# KiCad board audio-latency-tester-board.kicad_pcb (continued)
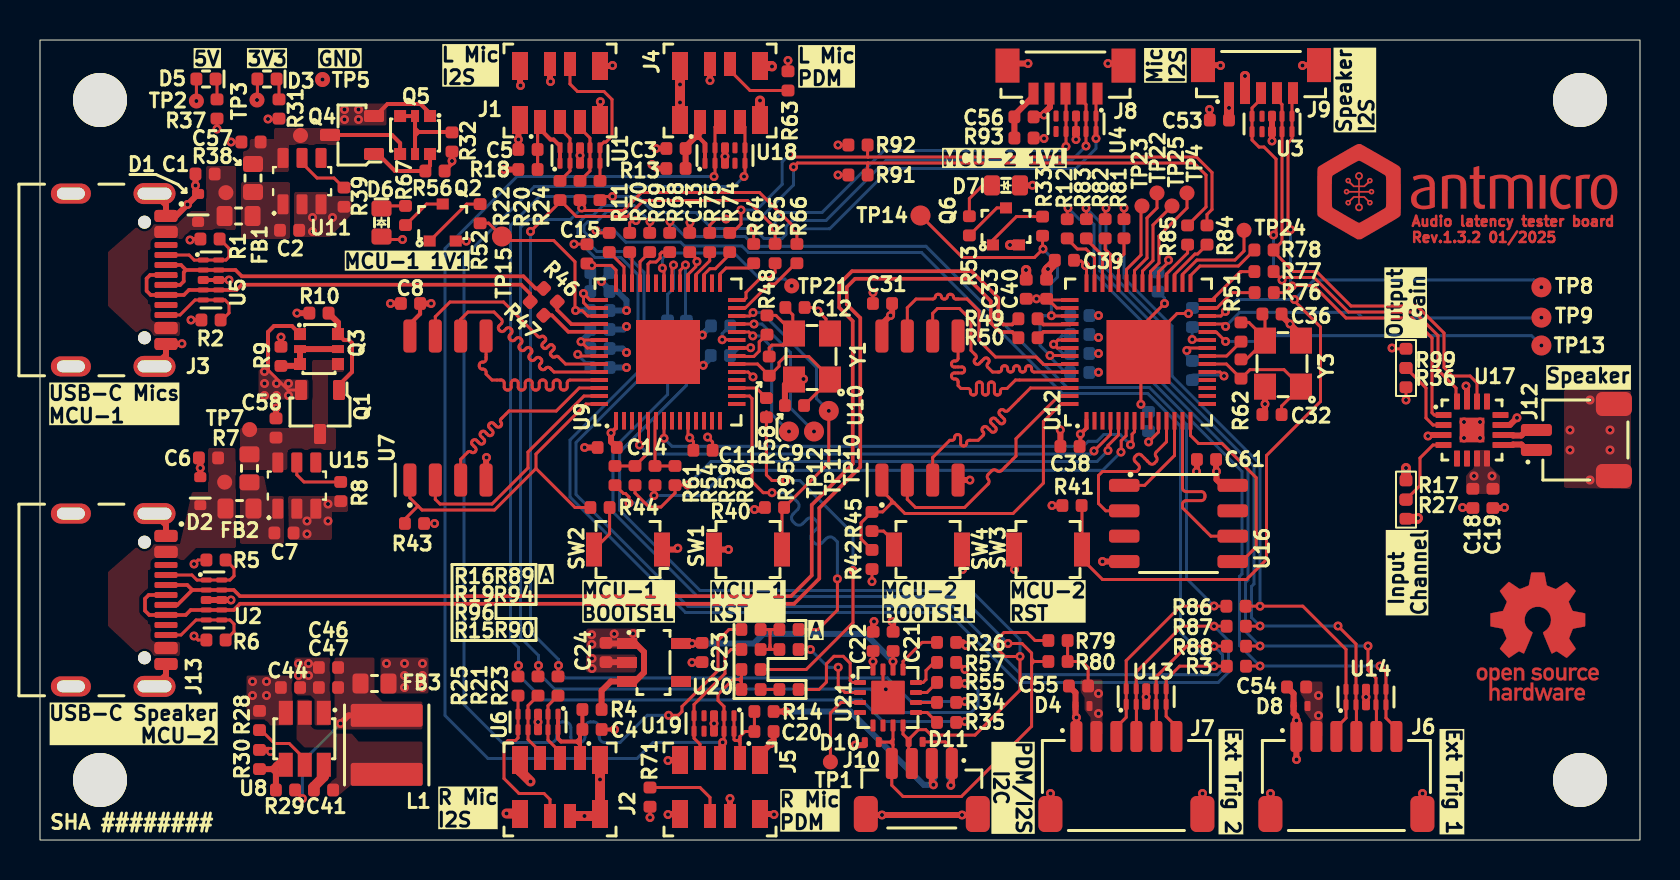
[diagram p0: board, top side]
## Library data of the parts (continued)
C47 = -: Datasheet: https://www.murata.com/products/productdetail?partno=GRM158R60J226ME01%23; Description: SMD Multilayer Ceramic Capacitor, 22 uF, 4 V, 0402 [1005 Metric], X6S; MPN: GRM158R60J226ME01D; Manufacturer: Murata; License: Apache-2.0; Author: Antmicro; Val: 22u; Field11: License: Apache-2.0; Field13: Author: Antmicro
C52 = -: Datasheet: https://product.tdk.com/en/search/capacitor/ceramic/mlcc/info?part_no=C1005X6S1A105K050BC; Description: SMD Multilayer Ceramic Capacitor, 1 µF, 10 V, 0402 [1005 Metric], ± 10%, X6S, C; MPN: C1005X6S1A105K050BC; Manufacturer: TDK; License: Apache-2.0; Author: Antmicro; Val: 1u; Field11: License: Apache-2.0; Field13: Author: Antmicro
D1 D2 = -: Datasheet: https://assets.nexperia.com/documents/data-sheet/PESD5V0X1UB.pdf; Description: Unidirectional TVS, 8 kV,  SOD-523, 5.5 V, 0.95 pF; MPN: PESD5V0X1UB,135; Manufacturer: Nexperia; Author: Antmicro; License: Apache-2.0; Field8: License: Apache-2.0; Field10: Author: Antmicro
D3 = -: Datasheet: https://www.vishay.com/docs/82554/vlmo1500.pdf; Description: LED, Green, SMD, 1005, 5 mA, 3.1 V, 535 nm; MPN: VLMTG1500-GS08; Manufacturer: Vishay; Color: Green; Author: Antmicro; License: Apache-2.0; Field9: License: Apache-2.0; Field10: Author: Antmicro
D4 D11 = -: Datasheet: https://www.ti.com/general/docs/suppproductinfo.tsp?distId=26&gotoUrl=https://www.ti.com/lit/gpn/tpd1e0b04; Description: Bidirectional TVS, 8 kV,  XDFN-2, 3.6 V, 0.18 pF; MPN: TPD1E0B04DPYR; Manufacturer: Texas Instruments; Author: Antmicro; License: Apache-2.0; Field8: Author: Antmicro; Field9: License: Apache-2.0
D5 = -: Datasheet: https://www.vishay.com/docs/82554/vlmo1500.pdf; Description: LED, Green, SMD, 1005, 5 mA, 3.1 V, 535 nm; MPN: VLMTG1500-GS08; Manufacturer: Vishay; Color: Green; Author: Antmicro; License: Apache-2.0; Field10: License: Apache-2.0; Field11: Author: Antmicro
D6 D7 = -: Datasheet: http://www.kingbright.com/attachments/file/psearch//000/00/00/KP-1608CGCK(Ver.23B).pdf; Description: LED, Green, SMD, 0603, 20 mA, 2.1 V, 570 nm; MPN: KP-1608CGCK; Manufacturer: Kingbright; Color: Green; Author: Antmicro; License: Apache-2.0; Field9: Author: Antmicro; Field10: License: Apache-2.0
D8 D10 = -: Datasheet: https://www.ti.com/general/docs/suppproductinfo.tsp?distId=26&gotoUrl=https://www.ti.com/lit/gpn/tpd1e0b04; Description: Bidirectional TVS, 8 kV,  XDFN-2, 3.6 V, 0.18 pF; MPN: TPD1E0B04DPYR; Manufacturer: Texas Instruments; Author: Antmicro; License: Apache-2.0; Field8: Author: Antmicro; Field10: License: Apache-2.0
D9 = -: Datasheet: https://www.ti.com/general/docs/suppproductinfo.tsp?distId=26&gotoUrl=https://www.ti.com/lit/gpn/tpd1e0b04; Description: Bidirectional TVS, 8 kV,  XDFN-2, 3.6 V, 0.18 pF; MPN: TPD1E0B04DPYR; Manufacturer: Texas Instruments; Author: Antmicro; License: Apache-2.0; Field8: License: Apache-2.0; Field10: Author: Antmicro
FB1 = -: Datasheet: https://www.murata.com/en-us/products/productdata/8796738650142/ENFA0003.pdf; Description: Ferrite Bead, 0603 [1608 Metric], 120 ohm, 2 A, BLM18P, 0.05 ohm, ± 25%, DC power line; Val: 120Z/2A; MPN: BLM18PG121SN1D; Manufacturer: Murata; Author: Antmicro; License: Apache-2.0; Field11: License: Apache-2.0; Field12: Author: Antmicro
FB2 = -: Datasheet: https://www.murata.com/en-us/products/productdata/8796738650142/ENFA0003.pdf; Description: Ferrite Bead, 0603 [1608 Metric], 120 ohm, 2 A, BLM18P, 0.05 ohm, ± 25%, DC power line; Val: 120Z/2A; MPN: BLM18PG121SN1D; Manufacturer: Murata; Author: Antmicro; License: Apache-2.0; Field11: Author: Antmicro; Field12: License: Apache-2.0
FB3 = -: Datasheet: https://www.murata.com/en-us/products/productdata/8796738650142/ENFA0003.pdf; Description: Ferrite Bead, 0603 [1608 Metric], 120 ohm, 2 A, BLM18P, 0.05 ohm, ± 25%, DC power line; Val: 120Z/2A; MPN: BLM18PG121SN1D; Manufacturer: Murata; Author: Antmicro; License: Apache-2.0; Field10: License: Apache-2.0; Field12: Author: Antmicro
J1 = -: Datasheet: https://www.molex.com/content/dam/molex/molex-dot-com/products/automated/en-us/salesdrawingpdf/501/501951/5019510550_sd.pdf?inline; Description: Connector FFC/FPC SKT 5 Position 0.5mm Solder Straight Surface Mount T/R; Manufacturer: Molex; MPN: 501951-0550; Author: Antmicro; License: Apache-2.0; Field9: License: Apache-2.0; Field10: Author: Antmicro
J2 J4 = -: Datasheet: https://www.molex.com/content/dam/molex/molex-dot-com/products/automated/en-us/salesdrawingpdf/501/501951/5019510550_sd.pdf?inline; Description: Connector FFC/FPC SKT 5 Position 0.5mm Solder Straight Surface Mount T/R; Manufacturer: Molex; MPN: 501951-0550; Author: Antmicro; License: Apache-2.0; Field9: Author: Antmicro; Field10: License: Apache-2.0
J3 = -: Datasheet: https://gct.co/files/drawings/usb4105.pdf; Description: USB-C (USB TYPE-C) USB 2.0 Receptacle Connector 24 (16+8 Dummy) Position Surface Mount, Right Angle; Manufacturer: GCT; MPN: USB4105-GF-A; Author: Antmicro; License: Apache-2.0; Field8: Author: Antmicro; Field10: PCB-EDGE; Field11: License: Apache-2.0
J5 = -: Datasheet: https://www.molex.com/content/dam/molex/molex-dot-com/products/automated/en-us/salesdrawingpdf/501/501951/5019510550_sd.pdf?inline; Description: Connector FFC/FPC SKT 5 Position 0.5mm Solder Straight Surface Mount T/R; Manufacturer: Molex; MPN: 501951-0550; Author: Antmicro; License: Apache-2.0; Field8: Author: Antmicro; Field9: License: Apache-2.0
J6 = -: Datasheet: https://www.jst-mfg.com/product/pdf/eng/eSH.pdf; Description: Pin Header, Right Angle, Wire-to-Board, 1 mm, 1 Rows, 6 Contacts, Surface Mount Right Angle, SR; MPN: SM06B-SRSS-TB(LF)(SN); Manufacturer: JST Automotive Connectors; Author: Antmicro; License: Apache-2.0; Field8: Author: Antmicro; Field10: License: Apache-2.0
J7 = -: Datasheet: https://www.jst-mfg.com/product/pdf/eng/eSH.pdf; Description: Pin Header, Right Angle, Wire-to-Board, 1 mm, 1 Rows, 6 Contacts, Surface Mount Right Angle, SR; MPN: SM06B-SRSS-TB(LF)(SN); Manufacturer: JST Automotive Connectors; Author: Antmicro; License: Apache-2.0; Field8: License: Apache-2.0; Field10: Author: Antmicro
J8 = -: Datasheet: https://www.jst.com/wp-content/uploads/2021/09/eSUR-new.pdf; Description: Pin Header, Vertical, Wire-to-Board, 0.5 mm, 1 Rows, 5 Contacts, Surface Mount Vertical, SUR; MPN: BM05B-SURS-TF(LF)(SN); Manufacturer: JST Automotive Connectors; Author: Antmicro; License: Apache-2.0; Field8: Author: Antmicro; Field10: License: Apache-2.0
J9 = -: Datasheet: https://www.jst.com/wp-content/uploads/2021/09/eSUR-new.pdf; Description: Pin Header, Vertical, Wire-to-Board, 0.5 mm, 1 Rows, 5 Contacts, Surface Mount Vertical, SUR; MPN: BM05B-SURS-TF(LF)(SN); Manufacturer: JST Automotive Connectors; Author: Antmicro; License: Apache-2.0; Field8: License: Apache-2.0; Field9: Author: Antmicro
J10 = -: Datasheet: https://www.jst-mfg.com/product/pdf/eng/eSH.pdf; Description: Pin Header, Top Entry, Wire-to-Board, 1 mm, 1 Rows, 4 Contacts, Surface Mount, SR; MPN: BM04B-SRSS-TB(LF)(SN); Manufacturer: JST Automotive Connectors; Author: Antmicro; License: Apache-2.0; Field8: Author: Antmicro; Field9: License: Apache-2.0
J12 = -: Datasheet: https://www.jst-mfg.com/product/pdf/eng/eSH.pdf; Description: Rectangular connector, header; MPN: SM02B-SRSS-TB(LF)(SN); Manufacturer: JST Automotive Connectors; Author: Antmicro; License: Apache-2.0; Field9: License: Apache-2.0; Field10: Author: Antmicro
J13 = -: Datasheet: https://gct.co/files/drawings/usb4105.pdf; Description: USB-C (USB TYPE-C) USB 2.0 Receptacle Connector 24 (16+8 Dummy) Position Surface Mount, Right Angle; Manufacturer: GCT; MPN: USB4105-GF-A; Author: Antmicro; License: Apache-2.0; Field8: License: Apache-2.0; Field9: Author: Antmicro; Field10: PCB-EDGE
L1 = -: Datasheet: https://www.vishay.com/docs/34295/sc15ah01.pdf; Description: Power Inductor (SMT), 2.2 µH, 3.1 A, Shielded, 3.1 A, IFSC-1515AH-01; Val: 2u2/3.1A; Manufacturer: Vishay; MPN: IFSC1515AHER2R2M01; ISat: 2.8 A; IMax: 3.1 A; Size: 4.0x4.0; Author: Antmicro; License: Apache-2.0; Field12: Author: Antmicro; Field14: License: Apache-2.0
MP1 = -: Description: Mechanical part; Author: Antmicro; License: Apache-2.0; Field6: Author: Antmicro; Field7: License: Apache-2.0
MP2 = -: Description: Mechanical part; Author: Antmicro; License: Apache-2.0; Field6: License: Apache-2.0; Field8: Author: Antmicro
MP3 MP4 = -: Description: Mechanical part; Author: Antmicro; License: Apache-2.0; Field6: License: Apache-2.0; Field7: Author: Antmicro
Q1 = -: Datasheet: https://www.mouser.com/datasheet/2/408/SSM3J332R_datasheet_en_20181015-1150575.pdf; Description: Power MOSFET, P Channel, 30 V, 6 A, 0.036 ohm, SOT-23F, Surface Mount; MPN: SSM3J332R,LF; Manufacturer: Toshiba; Author: Antmicro; License: Apache-2.0; Field8: Author: Antmicro; Field9: License: Apache-2.0
Q2 = -: Datasheet: https://assets.nexperia.com/documents/data-sheet/BC817W_SER.pdf; Description: Bipolar (BJT) Single Transistor, NPN, 45 V, 500 mA, 200 mW, SOT-323, Surface Mount; MPN: BC817-25W,115; Manufacturer: Nexperia; Author: Antmicro; License: Apache-2.0; Field8: Author: Antmicro; Field10: License: Apache-2.0; ki_fp_filters: SOT?323*
Q3 = -: Datasheet: https://www.diodes.com/assets/Datasheets/BCM857BS.pdf; Description: Bipolar (BJT) Transistor Array, 2 Transistors, PNP, 45V, 100mA, SOT-363, Surface Mount; Manufacturer: Diodes Incorporated; Author: Antmicro; License: Apache-2.0; Field8: Author: Antmicro; Field10: License: Apache-2.0
Q4 = -: Datasheet: https://www.mouser.com/datasheet/2/408/SSM3J332R_datasheet_en_20181015-1150575.pdf; Description: Power MOSFET, P Channel, 30 V, 6 A, 0.036 ohm, SOT-23F, Surface Mount; MPN: SSM3J332R,LF; Manufacturer: Toshiba; Author: Antmicro; License: Apache-2.0; Field8: License: Apache-2.0; Field10: Author: Antmicro
Q5 = -: Datasheet: https://www.diodes.com/assets/Datasheets/BCM857BS.pdf; Description: Bipolar (BJT) Transistor Array, 2 Transistors, PNP, 45V, 100mA, SOT-363, Surface Mount; Manufacturer: Diodes Incorporated; Author: Antmicro; License: Apache-2.0; Field8: License: Apache-2.0; Field10: Author: Antmicro
Q6 = -: Datasheet: https://assets.nexperia.com/documents/data-sheet/BC817W_SER.pdf; Description: Bipolar (BJT) Single Transistor, NPN, 45 V, 500 mA, 200 mW, SOT-323, Surface Mount; MPN: BC817-25W,115; Manufacturer: Nexperia; Author: Antmicro; License: Apache-2.0; Field9: Author: Antmicro; Field10: License: Apache-2.0; ki_fp_filters: SOT?323*
R1 R2 = -: Datasheet: https://www.bourns.com/docs/product-datasheets/cr.pdf; Description: SMD Chip Resistor, 5.1 kohm, ± 1%, 63 mW, 0402 [1005 Metric], Thick Film, General Purpose; MPN: CR0402-FX-5101GLF; Manufacturer: Bourns; License: Apache-2.0; Author: Antmicro; Val: 5k1; Tolerance: 1%; Field10: License: Apache-2.0; Field11: Author: Antmicro
R3 R11 R24 R25 R69 R96 = -: Datasheet: https://industrial.panasonic.com/cdbs/www-data/pdf/RDA0000/AOA0000C301.pdf; Description: SMD Chip Resistor, Jumper, 0 ohm, 100 mW, 0402 [1005 Metric], Thick Film, General Purpose; MPN: ERJ2GE0R00X; Manufacturer: Panasonic; License: Apache-2.0; Author: Antmicro; Val: 0R; Current: 1A; Field12: Author: Antmicro; Field13: License: Apache-2.0
R4 R13 R15 R21 R23 R54 R55 R57 R60 R74 R83 R87 R93 R94 = -: Datasheet: https://industrial.panasonic.com/cdbs/www-data/pdf/RDA0000/AOA0000C301.pdf; Description: SMD Chip Resistor, Jumper, 0 ohm, 100 mW, 0402 [1005 Metric], Thick Film, General Purpose; MPN: ERJ2GE0R00X; Manufacturer: Panasonic; License: Apache-2.0; Author: Antmicro; Val: 0R; Current: 1A; Field11: Author: Antmicro; Field12: License: Apache-2.0
R5 = -: Datasheet: https://www.bourns.com/docs/product-datasheets/cr.pdf; Description: SMD Chip Resistor, 5.1 kohm, ± 1%, 63 mW, 0402 [1005 Metric], Thick Film, General Purpose; MPN: CR0402-FX-5101GLF; Manufacturer: Bourns; License: Apache-2.0; Author: Antmicro; Val: 5k1; Tolerance: 1%; Field10: Author: Antmicro; Field12: License: Apache-2.0
R6 = -: Datasheet: https://www.bourns.com/docs/product-datasheets/cr.pdf; Description: SMD Chip Resistor, 5.1 kohm, ± 1%, 63 mW, 0402 [1005 Metric], Thick Film, General Purpose; MPN: CR0402-FX-5101GLF; Manufacturer: Bourns; License: Apache-2.0; Author: Antmicro; Val: 5k1; Tolerance: 1%; Field10: Author: Antmicro; Field11: License: Apache-2.0
R7 = -: Datasheet: https://fscdn.rohm.com/en/products/databook/datasheet/passive/resistor/chip_resistor/pmr-jpw-e.pdf; Description: SMD Chip Resistor; MPN: PMR03EZPJ000; Manufacturer: ROHM Semiconductor; Val: 0R; Max. Curr.: 22.4A; Author: Antmicro; License: Apache-2.0; Tolerance: template_tolerance; Field11: Author: Antmicro; Field13: License: Apache-2.0
R8 = -: Datasheet: https://www.bourns.com/docs/product-datasheets/cr.pdf; Description: SMD Chip Resistor, 20 kohm, ± 1%, 62.5 mW, 0402 [1005 Metric], Thick Film, General Purpose; MPN: CR0402-FX-2002GLF; Manufacturer: Bourns; License: Apache-2.0; Author: Antmicro; Val: 20k; Tolerance: 1%; Field10: License: Apache-2.0; Field12: Author: Antmicro
R9 R32 = -: Datasheet: https://www.bourns.com/docs/product-datasheets/cr.pdf; Description: SMD Chip Resistor, 10 kohm, ± 1%, 62.5 mW, 0402 [1005 Metric], Thick Film, General Purpose; Manufacturer: Bourns; MPN: CR0402-FX-1002GLF; Val: 10k; License: Apache-2.0; Author: Antmicro; Tolerance: 1%; Field10: Author: Antmicro; Field11: License: Apache-2.0
R10 = -: Datasheet: https://www.bourns.com/docs/product-datasheets/cr.pdf; Description: SMD Chip Resistor, 10 kohm, ± 1%, 62.5 mW, 0402 [1005 Metric], Thick Film, General Purpose; Manufacturer: Bourns; MPN: CR0402-FX-1002GLF; Val: 10k; License: Apache-2.0; Author: Antmicro; Tolerance: 1%; Field10: License: Apache-2.0; Field12: Author: Antmicro
R12 R17 R20 R22 R70-R72 R82 R84-R86 R88 R99 = -: Datasheet: https://industrial.panasonic.com/cdbs/www-data/pdf/RDA0000/AOA0000C301.pdf; Description: SMD Chip Resistor, Jumper, 0 ohm, 100 mW, 0402 [1005 Metric], Thick Film, General Purpose; MPN: ERJ2GE0R00X; Manufacturer: Panasonic; License: Apache-2.0; Author: Antmicro; Val: 0R; Current: 1A; Field11: License: Apache-2.0; Field12: Author: Antmicro
R14 R16 R18 R19 R34 R35 R59 R68 = -: Datasheet: https://industrial.panasonic.com/cdbs/www-data/pdf/RDA0000/AOA0000C301.pdf; Description: SMD Chip Resistor, Jumper, 0 ohm, 100 mW, 0402 [1005 Metric], Thick Film, General Purpose; MPN: ERJ2GE0R00X; Manufacturer: Panasonic; License: Apache-2.0; Author: Antmicro; Val: 0R; Current: 1A; Field12: License: Apache-2.0; Field13: Author: Antmicro
R26 R48 = -: Datasheet: https://www.bourns.com/docs/product-datasheets/cr.pdf; Description: SMD Chip Resistor, 1 kohm, ± 1%, 63 mW, 0402 [1005 Metric], Thick Film, General Purpose; MPN: CR0402-FX-1001GLF; Manufacturer: Bourns; License: Apache-2.0; Author: Antmicro; Val: 1k; Tolerance: 1%; Field10: License: Apache-2.0; Field11: Author: Antmicro
R27 = -: Datasheet: https://www.bourns.com/docs/product-datasheets/cr.pdf; Description: SMD Chip Resistor, 1 Mohm, ± 1%, 62.5 mW, 0402 [1005 Metric], Thick Film, General Purpose; MPN: CR0402-FX-1004GLF; Manufacturer: Bourns; License: Apache-2.0; Author: Antmicro; Val: 1M; Tolerance: 1%; Field11: License: Apache-2.0; Field12: Author: Antmicro
R28 R36 R73 R75 R76 R89 = -: Datasheet: https://industrial.panasonic.com/cdbs/www-data/pdf/RDA0000/AOA0000C301.pdf; Description: SMD Chip Resistor, Jumper, 0 ohm, 100 mW, 0402 [1005 Metric], Thick Film, General Purpose; MPN: ERJ2GE0R00X; Manufacturer: Panasonic; License: Apache-2.0; Author: Antmicro; Val: 0R; Current: 1A; Field11: License: Apache-2.0; Field13: Author: Antmicro
R29 = -: Datasheet: https://www.mouser.com/datasheet/2/447/YAGEO_PYu_RC_Group_51_RoHS_L_12-3313492.pdf; Description: SMD Chip Resistor, 3.16 kohm, ± 1%, 62.5 mW, 0402 [1005 Metric], Thick Film, General Purpose; MPN: RC0402FR-073K16L; Val: 3k16; Manufacturer: YAGEO; Tolerance: 1%; Author: Antmicro; License: Apache-2.0; Field10: Author: Antmicro; Field11: License: Apache-2.0
R30 R37 R45 R51 = -: Datasheet: https://www.bourns.com/docs/product-datasheets/cr.pdf; Description: SMD Chip Resistor, 1 kohm, ± 1%, 63 mW, 0402 [1005 Metric], Thick Film, General Purpose; MPN: CR0402-FX-1001GLF; Manufacturer: Bourns; License: Apache-2.0; Author: Antmicro; Val: 1k; Tolerance: 1%; Field11: Author: Antmicro; Field12: License: Apache-2.0
R31 = -: Datasheet: https://www.bourns.com/docs/product-datasheets/cr.pdf; Description: SMD Chip Resistor, 220 ohm, ± 1%, 62.5 mW, 0402 [1005 Metric], Thick Film, General Purpose; MPN: CR0402-FX-2200GLF; Manufacturer: Bourns; License: Apache-2.0; Author: Antmicro; Val: 220R; Tolerance: 1%; Field10: License: Apache-2.0; Field11: Author: Antmicro
R33 R44 R52 = -: Datasheet: https://www.bourns.com/docs/product-datasheets/cr.pdf; Description: SMD Chip Resistor, 1 kohm, ± 1%, 63 mW, 0402 [1005 Metric], Thick Film, General Purpose; MPN: CR0402-FX-1001GLF; Manufacturer: Bourns; License: Apache-2.0; Author: Antmicro; Val: 1k; Tolerance: 1%; Field10: Author: Antmicro; Field12: License: Apache-2.0
R38 = -: Datasheet: https://fscdn.rohm.com/en/products/databook/datasheet/passive/resistor/chip_resistor/pmr-jpw-e.pdf; Description: SMD Chip Resistor; MPN: PMR03EZPJ000; Manufacturer: ROHM Semiconductor; Val: 0R; Max. Curr.: 22.4A; Author: Antmicro; License: Apache-2.0; Tolerance: template_tolerance; Field11: License: Apache-2.0; Field12: Author: Antmicro
R39 = -: Datasheet: https://www.bourns.com/docs/product-datasheets/cr.pdf; Description: SMD Chip Resistor, 20 kohm, ± 1%, 62.5 mW, 0402 [1005 Metric], Thick Film, General Purpose; MPN: CR0402-FX-2002GLF; Manufacturer: Bourns; License: Apache-2.0; Author: Antmicro; Val: 20k; Tolerance: 1%; Field11: Author: Antmicro; Field12: License: Apache-2.0
R40 R42 R43 = -: Datasheet: https://www.bourns.com/docs/product-datasheets/cr.pdf; Description: SMD Chip Resistor, 10 kohm, ± 1%, 62.5 mW, 0402 [1005 Metric], Thick Film, General Purpose; MPN: CR0402-FX-1002GLF; Manufacturer: Bourns; License: Apache-2.0; Author: Antmicro; Val: 10k; Tolerance: 1%; Field11: Author: Antmicro; Field12: License: Apache-2.0
R41 = -: Datasheet: https://www.bourns.com/docs/product-datasheets/cr.pdf; Description: SMD Chip Resistor, 10 kohm, ± 1%, 62.5 mW, 0402 [1005 Metric], Thick Film, General Purpose; MPN: CR0402-FX-1002GLF; Manufacturer: Bourns; License: Apache-2.0; Author: Antmicro; Val: 10k; Tolerance: 1%; Field10: License: Apache-2.0; Field12: Author: Antmicro
R46 R47 R50 = -: Datasheet: https://www.bourns.com/docs/product-datasheets/cr.pdf; Description: SMD Chip Resistor, 27 ohm, ± 1%, 63 mW, 0402 [1005 Metric], Thick Film, General Purpose; MPN: CR0402-FX-27R0GLF; Manufacturer: Bourns; License: Apache-2.0; Author: Antmicro; Val: 27R; Tolerance: 1%; Field11: License: Apache-2.0; Field12: Author: Antmicro
R49 = -: Datasheet: https://www.bourns.com/docs/product-datasheets/cr.pdf; Description: SMD Chip Resistor, 27 ohm, ± 1%, 63 mW, 0402 [1005 Metric], Thick Film, General Purpose; MPN: CR0402-FX-27R0GLF; Manufacturer: Bourns; License: Apache-2.0; Author: Antmicro; Val: 27R; Tolerance: 1%; Field10: License: Apache-2.0; Field11: Author: Antmicro
R53 R67 = -: Datasheet: https://www.bourns.com/docs/product-datasheets/cr.pdf; Description: SMD Chip Resistor, 270 ohm, ± 1%, 63 mW, 0402 [1005 Metric], Thick Film, General Purpose; MPN: CR0402-FX-2700GLF; Manufacturer: Bourns; License: Apache-2.0; Author: Antmicro; Val: 270R; Tolerance: 1%; Field11: License: Apache-2.0; Field12: Author: Antmicro
R56 = -: Datasheet: https://www.bourns.com/docs/product-datasheets/cr.pdf; Description: SMD Chip Resistor, 10 kohm, ± 1%, 62.5 mW, 0402 [1005 Metric], Thick Film, General Purpose; Manufacturer: Bourns; MPN: CR0402-FX-1002GLF; Val: 10k; License: Apache-2.0; Author: Antmicro; Tolerance: 1%; Field11: Author: Antmicro; Field12: License: Apache-2.0
R58 = -: Datasheet: https://www.bourns.com/docs/product-datasheets/cr.pdf; Description: SMD Chip Resistor, 1 Mohm, ± 1%, 62.5 mW, 0402 [1005 Metric], Thick Film, General Purpose; MPN: CR0402-FX-1004GLF; Manufacturer: Bourns; License: Apache-2.0; Author: Antmicro; Val: 1M; Tolerance: 1%; Field10: Author: Antmicro; Field11: License: Apache-2.0
R61 R63 R66 R81 = -: Datasheet: https://industrial.panasonic.com/cdbs/www-data/pdf/RDA0000/AOA0000C301.pdf; Description: SMD Chip Resistor, Jumper, 0 ohm, 100 mW, 0402 [1005 Metric], Thick Film, General Purpose; MPN: ERJ2GE0R00X; Manufacturer: Panasonic; License: Apache-2.0; Author: Antmicro; Val: 0R; Current: 1A; Field11: Author: Antmicro; Field13: License: Apache-2.0
R62 = -: Datasheet: https://www.bourns.com/docs/product-datasheets/cr.pdf; Description: SMD Chip Resistor, 1 Mohm, ± 1%, 62.5 mW, 0402 [1005 Metric], Thick Film, General Purpose; MPN: CR0402-FX-1004GLF; Manufacturer: Bourns; License: Apache-2.0; Author: Antmicro; Val: 1M; Tolerance: 1%; Field10: License: Apache-2.0; Field12: Author: Antmicro
R64 = -: Datasheet: https://www.bourns.com/docs/product-datasheets/cr.pdf; Description: SMD Chip Resistor, 51 ohm, ± 1%, 63 mW, 0402 [1005 Metric], Thick Film, General Purpose; MPN: CR0402-FX-51R0GLF; Manufacturer: Bourns; License: Apache-2.0; Author: Antmicro; Val: 51R; Tolerance: 1%; Field10: Author: Antmicro; Field11: License: Apache-2.0
R65 R78 = -: Datasheet: https://www.bourns.com/docs/product-datasheets/cr.pdf; Description: SMD Chip Resistor, 51 ohm, ± 1%, 63 mW, 0402 [1005 Metric], Thick Film, General Purpose; MPN: CR0402-FX-51R0GLF; Manufacturer: Bourns; License: Apache-2.0; Author: Antmicro; Val: 51R; Tolerance: 1%; Field11: Author: Antmicro; Field12: License: Apache-2.0
R77 = -: Datasheet: https://www.bourns.com/docs/product-datasheets/cr.pdf; Description: SMD Chip Resistor, 51 ohm, ± 1%, 63 mW, 0402 [1005 Metric], Thick Film, General Purpose; MPN: CR0402-FX-51R0GLF; Manufacturer: Bourns; License: Apache-2.0; Author: Antmicro; Val: 51R; Tolerance: 1%; Field11: License: Apache-2.0; Field12: Author: Antmicro
R79 = -: Datasheet: https://www.bourns.com/docs/product-datasheets/cr.pdf; Description: SMD Chip Resistor, 2.7 kohm, ± 1%, 63 mW, 0402 [1005 Metric], Thick Film, General Purpose; MPN: CR0402-FX-2701GLF; Manufacturer: Bourns; License: Apache-2.0; Author: Antmicro; Val: 2k7; Tolerance: 1%; Field11: License: Apache-2.0; Field12: Author: Antmicro
R80 = -: Datasheet: https://www.bourns.com/docs/product-datasheets/cr.pdf; Description: SMD Chip Resistor, 2.7 kohm, ± 1%, 63 mW, 0402 [1005 Metric], Thick Film, General Purpose; MPN: CR0402-FX-2701GLF; Manufacturer: Bourns; License: Apache-2.0; Author: Antmicro; Val: 2k7; Tolerance: 1%; Field10: License: Apache-2.0; Field11: Author: Antmicro
R90 = -: Datasheet: https://www.bourns.com/docs/product-datasheets/cr.pdf; Description: SMD Chip Resistor, 51 ohm, ± 1%, 63 mW, 0402 [1005 Metric], Thick Film, General Purpose; MPN: CR0402-FX-51R0GLF; Manufacturer: Bourns; License: Apache-2.0; Author: Antmicro; Val: 51R; Tolerance: 1%; Field10: License: Apache-2.0; Field11: Author: Antmicro
R91 = -: Datasheet: https://www.bourns.com/docs/product-datasheets/cr.pdf; Description: SMD Chip Resistor, 2.7 kohm, ± 1%, 63 mW, 0402 [1005 Metric], Thick Film, General Purpose; MPN: CR0402-FX-2701GLF; Manufacturer: Bourns; License: Apache-2.0; Author: Antmicro; Val: 2k7; Tolerance: 1%; Field11: Author: Antmicro; Field12: License: Apache-2.0
R92 = -: Datasheet: https://www.bourns.com/docs/product-datasheets/cr.pdf; Description: SMD Chip Resistor, 2.7 kohm, ± 1%, 63 mW, 0402 [1005 Metric], Thick Film, General Purpose; MPN: CR0402-FX-2701GLF; Manufacturer: Bourns; License: Apache-2.0; Author: Antmicro; Val: 2k7; Tolerance: 1%; Field10: Author: Antmicro; Field11: License: Apache-2.0
R95 = -: Datasheet: https://www.bourns.com/docs/product-datasheets/cr.pdf; Description: SMD Chip Resistor, 51 ohm, ± 1%, 63 mW, 0402 [1005 Metric], Thick Film, General Purpose; MPN: CR0402-FX-51R0GLF; Manufacturer: Bourns; License: Apache-2.0; Author: Antmicro; Val: 51R; Tolerance: 1%; Field10: License: Apache-2.0; Field12: Author: Antmicro
REF** REF**#2 = -: Field4: Author: Antmicro; Field6: License: Apache-2.0
SW1 = -: Datasheet: https://omronfs.omron.com/en_US/ecb/products/pdf/en-b3u.pdf; Description: Tactile Switch, B3U, Top Actuated, Surface Mount, Round Button, 153 gf, 50mA at 12VDC; MPN: B3U-1000P; Manufacturer: Omron; Author: Antmicro; License: Apache-2.0; Field9: License: Apache-2.0; Field10: Author: Antmicro
SW2 = -: Datasheet: https://omronfs.omron.com/en_US/ecb/products/pdf/en-b3u.pdf; Description: Tactile Switch, B3U, Top Actuated, Surface Mount, Round Button, 153 gf, 50mA at 12VDC; MPN: B3U-1000P; Manufacturer: Omron; Author: Antmicro; License: Apache-2.0; Field9: Author: Antmicro; Field10: License: Apache-2.0
SW3 = -: Datasheet: https://omronfs.omron.com/en_US/ecb/products/pdf/en-b3u.pdf; Description: Tactile Switch, B3U, Top Actuated, Surface Mount, Round Button, 153 gf, 50mA at 12VDC; MPN: B3U-1000P; Manufacturer: Omron; Author: Antmicro; License: Apache-2.0; Field8: Author: Antmicro; Field9: License: Apache-2.0
SW4 = -: Datasheet: https://omronfs.omron.com/en_US/ecb/products/pdf/en-b3u.pdf; Description: Tactile Switch, B3U, Top Actuated, Surface Mount, Round Button, 153 gf, 50mA at 12VDC; MPN: B3U-1000P; Manufacturer: Omron; Author: Antmicro; License: Apache-2.0; Field8: Author: Antmicro; Field10: License: Apache-2.0
TP1 TP5 TP6 TP16 TP22 TP23 = -: Description: SMT test point; Author: Antmicro; License: Apache-2.0; Field8: License: Apache-2.0; Field10: Author: Antmicro
TP2 TP17 TP21 TP24 = -: Description: SMT test point; Author: Antmicro; License: Apache-2.0; Field9: Author: Antmicro; Field10: License: Apache-2.0
TP3 TP25 = -: Description: SMT test point; Author: Antmicro; License: Apache-2.0; Field8: Author: Antmicro; Field10: License: Apache-2.0
TP4 TP7 = -: Description: SMT test point; Author: Antmicro; License: Apache-2.0; Field8: License: Apache-2.0; Field9: Author: Antmicro
TP8 TP13 = -: Description: Test point 1mm SMD; Author: Antmicro; License: Apache-2.0; Field8: Author: Antmicro; Field9: License: Apache-2.0
TP9 TP10 = -: Description: Test point 1mm SMD; Author: Antmicro; License: Apache-2.0; Field9: License: Apache-2.0; Field10: Author: Antmicro
TP11 TP14 = -: Description: Test point 1mm SMD; Author: Antmicro; License: Apache-2.0; Field8: License: Apache-2.0; Field9: Author: Antmicro
TP12 TP15 = -: Description: Test point 1mm SMD; Author: Antmicro; License: Apache-2.0; Field8: License: Apache-2.0; Field10: Author: Antmicro
U1 = -: Datasheet: https://www.ti.com/lit/ds/symlink/tpd4e05u06-q1.pdf?HQS=dis-mous-null-mousermode-dsf-pf-null-wwe&ts=1663591265741&ref_url=https%253A%252F%252Fwww.mouser.com%252F; Description: TVS diode array, 12 kV, USON-10, 5.5 V, 0.5 pF; Manufacturer: Texas Instruments; Author: Antmicro; License: Apache-2.0; Field9: Author: Antmicro; Field10: License: Apache-2.0
U2 U6 = -: Datasheet: https://www.ti.com/lit/ds/symlink/tpd4e05u06-q1.pdf?HQS=dis-mous-null-mousermode-dsf-pf-null-wwe&ts=1663591265741&ref_url=https%253A%252F%252Fwww.mouser.com%252F; Description: TVS diode array, 12 kV, USON-10, 5.5 V, 0.5 pF; Manufacturer: Texas Instruments; Author: Antmicro; License: Apache-2.0; Field9: License: Apache-2.0; Field10: Author: Antmicro
U3 = -: Datasheet: http://www.ti.com/lit/ds/symlink/tpd4e02b04.pdf; Description: TVS diode array, 12 kV, USON-10, 3.6 V, 0.33 pF; MPN: TPD4E02B04DQAR; Manufacturer: Texas Instruments; Author: Antmicro; License: Apache-2.0; Field8: License: Apache-2.0; Field10: Author: Antmicro; ki_fp_filters: USON*2.5x1.0mm*P0.5mm*
U4 = -: Datasheet: http://www.ti.com/lit/ds/symlink/tpd4e02b04.pdf; Description: TVS diode array, 12 kV, USON-10, 3.6 V, 0.33 pF; MPN: TPD4E02B04DQAR; Manufacturer: Texas Instruments; Author: Antmicro; License: Apache-2.0; Field9: License: Apache-2.0; Field10: Author: Antmicro; ki_fp_filters: USON*2.5x1.0mm*P0.5mm*
U5 U19 = -: Datasheet: https://www.ti.com/lit/ds/symlink/tpd4e05u06-q1.pdf?HQS=dis-mous-null-mousermode-dsf-pf-null-wwe&ts=1663591265741&ref_url=https%253A%252F%252Fwww.mouser.com%252F; Description: TVS diode array, 12 kV, USON-10, 5.5 V, 0.5 pF; Manufacturer: Texas Instruments; Author: Antmicro; License: Apache-2.0; Field8: License: Apache-2.0; Field10: Author: Antmicro
